# Allegro board HI3516AREFB_VER_B_PCB.brd (continued)
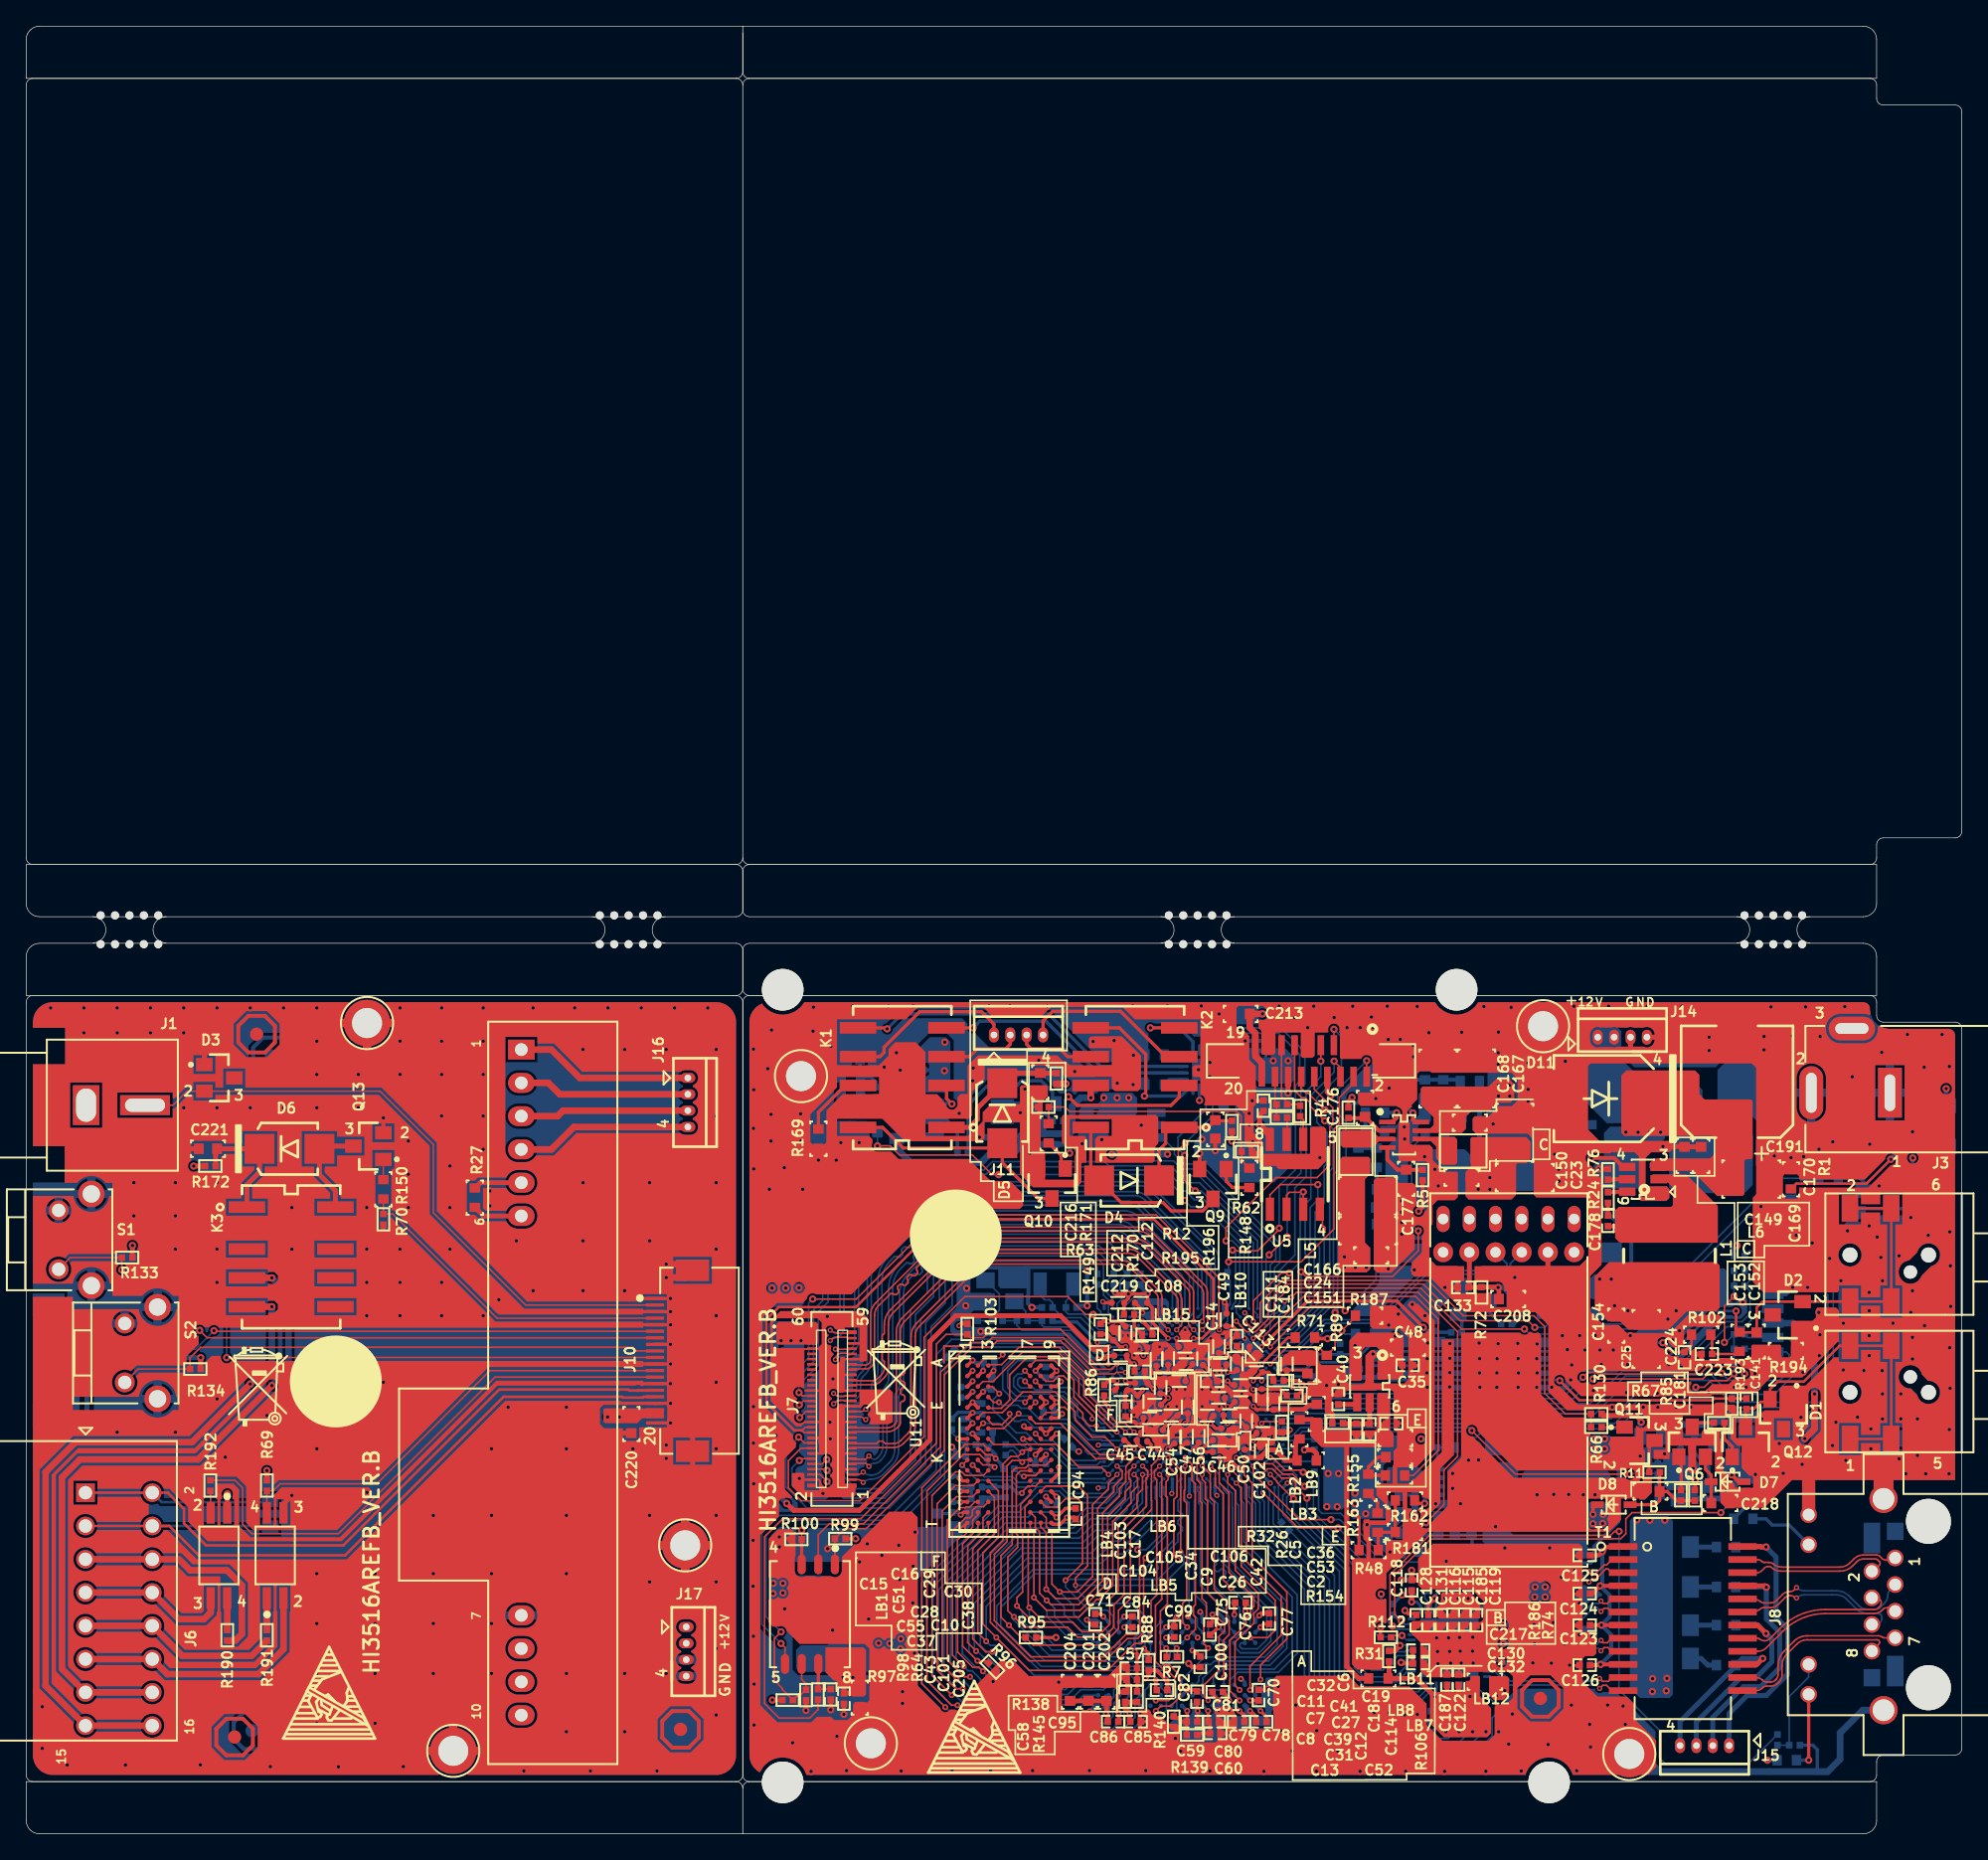
[diagram p0: board, top side]
## Routing (per net, layer and track width the routed paths; a pad name or vN(x,y) marks a point on that pad's centre or on a via; arc(x,y) is an arc through that point) (continued)
SDIO1_CWPR: length 2.1
  TOP w0.127: v3(94.31,31.32) 94.46,31.47 R106.2
  BOTTOM w0.127: v3(94.31,31.32) 94.31,31.32 U8.J19
SDIO1_VOUT: length 48.9
  TOP w0.127: v1(129.62,37.51) 129.62,40.28 v1(130.36,41.02) ; v1(127.44,34.08) 128.07,34.08 128.58,34.59 129.83,34.59 v1(130.35,35.11)
  BOTTOM w0.127: v1(130.36,41.02) R126.2 R125.2 ; U8.K18 93.66,31.97 95.42,31.97 95.62,31.78 95.62,31.5 95.8,31.31 121.24,31.31 122.99,33.07 126.37,33.07 127.39,34.08 v1(127.44,34.08) ; v1(129.62,37.51) 129.74,37.51 R127.2 R128.2 R129.2 v1(130.35,35.11)
SENSOR_CLK: length 45.7
  TOP w0.127: J7.18 59.4,29.83 v1(58.96,30.27)
  BOTTOM w0.13: R30.1 81.74,43.23 81.27,43.7 72.04,43.7 70.68,42.34 70.68,40.31 69.07,38.71 69.07,28.05 65.88,24.86 59.6,24.86 58,26.46 58,29.31 v1(58.96,30.27)
SENSOR_RSTN: length 40.6
  TOP w0.127: v1(81.44,39.64) 80.86,39.64 79.5,41 71.65,41 68.54,37.89 68.54,30.32 63.63,25.42 59.17,25.42 58.31,26.27
  TOP w0.13: 58.31,26.27 58.18,26.41 58.18,28.47 59.14,29.43 J7.16
  BOTTOM w0.13: U8.Y1 v1(81.44,39.64)
SFC_CLK/SFC_BOOT_MODE: length 41.7
  TOP w0.127: U4.6 59.19,11.78 59.52,11.45 R98.2 59.21,10.68 59.01,10.68 R97.1 57.72,11.02 57.72,11.1 57.11,11.71 57.11,14.91 v1(57.61,15.41)
  BOTTOM w0.127: v1(57.61,15.41) 56.47,16.56 56.47,22.78 57.61,23.92 66.27,23.92 69.78,27.44 69.78,35.9 R21.1
SFC_CSN1: length 35.3
  TOP w0.127: U4.1 R99.1 62.49,23.29 64.12,23.29 70.08,29.25 70.08,35.04 72.17,37.13 73.62,37.13 74.11,37.62 78.95,37.62 81.47,35.1 83.08,35.1 83.2,35.22 v3(83.91,35.22)
  BOTTOM w0.127: v3(83.91,35.22) 83.59,35.54 U8.R3
SFC_SDI_IO1: length 36.9
  TOP w0.127: v3(83.26,35.87) 82.85,35.45 81.56,35.45 79.14,37.88 73.73,37.88 73.36,37.51 72.06,37.51 69.78,35.24 69.78,29.53 63.93,23.67 61.3,23.67 60.46,22.83 U4.2
  BOTTOM w0.127: v3(83.26,35.87) 83.26,35.22 83.38,35.11 U8.P3
SFC_SDO_IO0: length 50
  TOP w0.127: U4.5 57.92,14.22 v1(57.61,14.52)
  BOTTOM w0.127: v1(57.61,14.52) 56.14,16 56.14,22.98 57.46,24.3 66.02,24.3 69.47,27.75 69.47,36.58 70.63,37.74 79.5,37.74 82.01,35.23 82.62,35.23 U8.R2
SFC_WP_IO2: length 38.2
  TOP w0.127: R100.2 v1(59.19,23.16)
  TOP w0.254: U4.3 R100.2
  BOTTOM w0.114: U8.P2 82.62,34.58 81.68,34.58
  BOTTOM w0.127: v1(59.19,23.16) 59.65,23.62 66.58,23.62 70.1,27.14 70.1,35.45 71.81,37.16 79.11,37.16 81.68,34.58
SHUTTER_TRIG: length 51.6
  TOP w0.127: J7.30 59.5,32.23 v1(59.04,31.77)
  TOP w0.13: v3(91.06,38.47) 91.04,38.49 91.04,42.44 86.24,47.24 69.78,47.24 63.36,40.81 v1(60.03,40.81)
  BOTTOM w0.13: U8.W15 91.06,38.47 v3(91.06,38.47) ; v1(59.04,31.77) 57.87,32.94 57.87,34.49 59.72,36.34 59.72,40.51 v1(60.03,40.81)
SPI0_CLK/I2C0_SCL: length 43.1
  TOP w0.127: J7.6 60.58,27.43 v1(61.12,26.89)
  BOTTOM w0.13: U8.AB2 82.94,40.84 82.53,41.25 82.53,42.26 R54.1 83.01,43.23 81.72,44.52 71.72,44.52 69.7,42.5 69.7,40.71 68.27,39.28 68.27,28.37 65.52,25.62 62.39,25.62 v1(61.12,26.89)
SPI0_CSN: length 47.1
  TOP w0.127: J7.10 60.76,28.23 v1(61.09,28.57)
  BOTTOM w0.13: v1(61.09,28.57) 63.33,26.34 65.15,26.34 67.48,28.67 67.48,39.99 68.78,41.28 68.78,42.61 71.42,45.25 82.54,45.25 R28.1 84.54,42.24 84.54,41.58 84.67,41.45 84.67,41.07 83.91,40.31 83.91,39.11 U8.Y3
SPI0_MISO: length 47.3
  TOP w0.127: v1(59.01,28.49) 59.15,28.63 J7.12
  BOTTOM w0.13: v1(59.01,28.49) 58.45,27.94 58.45,26.62 59.82,25.25 65.69,25.25 68.66,28.21 68.66,39.02 70.14,40.5 70.14,42.4 71.85,44.12 81.57,44.12 82.23,43.46 82.23,41.12 82.61,40.74 82.61,39.77 U8.AA2
SPI0_MOSI/I2C0_SDA: length 45.4
  TOP w0.127: v1(61.12,27.73) 61.02,27.83 J7.8
  BOTTOM w0.13: U8.Y2 83.27,39.13 83.27,40.46 83.62,40.81 83.62,41.39 83.51,41.5 83.51,42.22 R55.1 81.9,44.88 71.6,44.88 69.25,42.53 69.25,41.02 67.87,39.64 67.87,28.53 65.35,26.01 62.85,26.01 v1(61.12,27.73)
SVB_PWM_CPU: length 34.5
  TOP w0.114: 96.78,41.14 v2(96.58,40.94)
  TOP w0.127: v1(106.84,23.75) 108.21,25.12 108.21,27.76 109.25,28.8 109.25,38.32 106.26,41.32 96.96,41.32 96.78,41.14
  BOTTOM w0.127: v2(96.58,40.94) 96.58,40.69 96.55,40.66 96.55,40.26 96.06,39.76 95.8,39.76 95.49,39.45 U8.AA21 ; R152.1 104.88,23.39 105.24,23.75 v1(106.84,23.75)
SVB_PWM_DDR: length 29.4
  TOP w0.127: R154.2 105.87,27.35 107.78,29.26 107.78,39.29 106.05,41.02 97.51,41.02 v3(94.31,37.82)
  BOTTOM w0.127: v3(94.31,37.82) 94.31,37.82 U8.W19
SVB_PWM_MEDIA: length 23.6
  TOP w0.127: v1(97.32,42.9) 97.67,42.54 104.3,42.54 106.26,44.5 v1(106.26,46.02)
  BOTTOM w0.127: R159.1 105.75,52.35 105.75,46.53 v1(106.26,46.02) ; v1(97.32,42.9) 97.32,40.51 96.25,39.45 U8.AA22
SVB_PWM_VDD: length 15.2
  TOP w0.127: v3(94.96,37.17) 98.07,40.28 100.31,40.28 v1(100.67,39.92)
  BOTTOM w0.127: R156.2 103.03,46.5 103.03,42.29 v1(100.67,39.92) ; v3(94.96,37.17) 94.96,37.17 U8.V20
SYS_RSTN_OUT: length 59.2
  TOP w0.127: v3(82.61,35.87) 82.55,35.81 81.65,35.81 78.93,38.53 73.72,38.53 73.06,37.87 72.09,37.87 R103.1 70.21,38.12 69.48,37.38 69.48,29.82 63.71,24.05 57.74,24.05 56.35,22.66 56.35,9.95 57.47,8.84 59.8,8.84 60.43,9.47 R64.2
  BOTTOM w0.102: U8.T4 83.89,36.54 82.86,36.54 82.82,36.5 82.81,36.5 82.63,36.32 82.63,36.32 82.61,36.3 v3(82.61,35.87)
UART0_RX_CON: length 44.3
  TOP w0.127: J10.7 13.81,37.86 v1(13.24,38.43)
  BOTTOM w0.127: J12.3 6.08,36.77 6.81,37.51 12.33,37.51 v1(13.24,38.43)
UART0_RXD: length 28.3
  TOP w0.127: v1(99.82,61.41) J9.7
  BOTTOM w0.127: v1(99.82,61.41) 100.39,60.83 100.39,58.04 98.51,56.16 98.51,54.3 99.3,53.51 99.3,51.18 99.07,50.95 99.07,48.13 98.38,47.44 98.38,45.13 98.71,44.8 98.71,40.61 96.55,38.45 95.59,38.45 U8.W21
UART0_TX_CON: length 44.6
  TOP w0.127: J10.6 14.38,38.36 v1(14.33,38.4)
  BOTTOM w0.127: v1(14.33,38.4) 12.94,37 7.2,37 5.71,35.52 J12.2
UART0_TXD: length 24.2
  TOP w0.127: J9.6 100.32,58.49 v1(99.83,58.97)
  BOTTOM w0.127: v1(99.83,58.97) 99.83,58.14 98.05,56.36 98.05,48.48 97.62,48.05 97.62,44.24 97.92,43.94 97.92,40.66 96.38,39.11 95.6,39.11 U8.Y21
UART1_RTSN: length 16
  TOP w0.127: v1(96.41,42.81) 95.8,42.81 93.66,40.67 v3(93.66,39.12) ; U5.2 96.2,48.74 96.43,48.97 97.45,48.97 v1(97.47,48.99) U5.3
  BOTTOM w0.114: U8.Y19 v3(93.66,39.12)
  BOTTOM w0.127: v1(97.47,48.99) 97.24,48.76 97.24,43.63 v1(96.41,42.81)
UART1_RXD: length 17.5
  TOP w0.127: v1(98.59,49.55) 95.71,49.55 94.93,48.77 U5.1
  BOTTOM w0.127: U8.Y22 96.46,38.8 98.31,40.64 98.31,44.45 98,44.75 98,47.8 98.59,48.38 v1(98.59,49.55)
UART1_TXD: length 11.4
  TOP w0.127: v1(98.94,46.17) 98.94,47.47 U5.4
  BOTTOM w0.127: U8.W22 96.68,38.15 99.07,40.53 99.07,46.05 v1(98.94,46.17)
USB_DM: length 21.9
  BOTTOM w0.127: U8.U21 95.6,37.16 96.99,37.16 97.02,37.19
  BOTTOM w0.14: 97.02,37.19 99.07,39.24 103.03,39.24 106.78,42.99 112.75,42.99 113.02,43.25 113.02,43.52 J2.4
USB_DP: length 21.6
  BOTTOM w0.127: U8.U22 97.02,36.85
  BOTTOM w0.14: 97.02,36.85 97.06,36.85 99.18,38.97 103.14,38.97 106.89,42.72 112.86,42.72 113.29,43.14 113.29,43.52 J2.3
USB_PWREN: length 17.4
  TOP w0.254: v3(94.31,37.17) 97.8,40.66 104.63,40.66 v1(106.64,38.65)
  BOTTOM w0.203: U8.V19 v3(94.31,37.17)
  BOTTOM w0.254: v1(106.64,38.65) 106.92,38.38 R59.2 107.65,38.38 107.75,38.27 R58.1
USB_REXT: length 9.4
  TOP w0.127: R187.2 101.46,39.44 v1(100.41,38.4)
  BOTTOM w0.127: R189.2 100.67,38.15 v1(100.41,38.4) 99.15,38.4 97.27,36.52 94.96,36.52 U8.U20
VDAC_CVBS: length 31.1
  TOP w0.127: v1(99.91,39.8) 99.91,37.16 R89.2 98.64,37.16 96.25,37.16 v3(94.96,35.87) ; v1(102.32,59.01) J9.2
  BOTTOM w0.102: U8.T20 v3(94.96,35.87)
  BOTTOM w0.127: v1(102.32,59.01) 100.1,56.79 100.1,55 100.74,54.35 100.74,50.71 100.1,50.06 100.1,39.99 v1(99.91,39.8)
VDAC_CVBS_CON: length 49.2
  TOP w0.127: J1.1 11.2,55.61 12.27,56.68 D3.2 27.01,56.68 31.07,52.62 31.07,47.41 38.12,40.36 J10.2
VDAC_IREF: length 3.8
  TOP w0.203: R71.2 96.32,37.88 94.6,36.16 94.6,36.16 v3(94.31,35.87)
  BOTTOM w0.254: U8.T19 v3(94.31,35.87)
VI_POWER_SENSOR: length 72.3
  TOP w0.127: J7.22 59.39,30.63 59.23,30.79 59.47,31.03 J7.24
  TOP w0.203: v3(89.11,37.82) 89.76,37.82 90.61,38.67 90.61,42.36 86.06,46.91 70.04,46.91 63.33,40.2 57.44,40.2 56.5,39.26 56.5,32.91 58.62,30.79 59.23,30.79
  TOP w0.254: C106.1 87.83,37.31 87.83,37.8 v3(87.81,37.82) ; LB15.2 83.79,40.53 C219.1 84.13,40.87 v1(84.13,41.21) 85.13,41.21 85.15,41.23 v2(85.61,41.23) 85.61,40.57 C108.1 85.96,40.14 85.96,39.02 v3(87.16,37.82)
  TOP w0.305: v1(84.13,41.21) 83.21,41.21 v2(83.12,41.3)
  BOTTOM w0.152: v3(87.16,37.82) v3(87.81,37.82) 88.46,37.82 U8.V11
  BOTTOM w0.203: U8.V12 v3(89.11,37.82) 88.79,37.5 U8.V11
  BOTTOM w0.254: v1(84.13,41.21) 84.03,41.31 R55.2 ; v3(87.16,37.82) U8.V8 86.69,37.64 85.68,37.64 U8.V6
  BOTTOM w0.305: v2(83.12,41.3) 83.07,41.3 83.01,41.35 R54.2 ; v2(85.61,41.23) 85.05,41.78 R28.2
WPS: length 25.1
  TOP w0.127: J9.10 98.32,56.83 99.73,55.42 99.73,54.17 99.5,53.95 99.5,51.05 98.53,50.08 95.38,50.08 91.57,46.27 v1(91.57,45.26)
  BOTTOM w0.114: 92.36,39.77 U8.AA17
  BOTTOM w0.127: 92.36,39.77 92.36,40.26 92.64,40.53 92.64,44.68 92.06,45.26 v1(91.57,45.26)
WPS_CON: length 51.1
  TOP w0.127: S1.2 3.37,43.98 R133.1 v1(7.3,43.05) ; J10.10 15.31,36.36 v1(15.3,36.34)
  BOTTOM w0.127: v1(15.3,36.34) 15.3,38.93 11.18,43.05 v1(7.3,43.05)
$5N57: length 1.5
  TOP w0.305: R76.2 121.19,49.93 121.22,49.96 U6.5
$5N65: length 0.7
  TOP w0.305: C178.2 121.45,46.38
$5N74: length 1
  TOP w0.305: R24.2 C178.1
$5N76: length 1.5
  TOP w0.305: R24.1 121.32,48.97 121.36,49.01 U6.6
$5N81: length 4.1
  TOP w0.305: v1(119.46,51.58) 119.47,51.58 121.21,51.58 121.88,50.91 U6.4
  BOTTOM w0.305: v1(119.46,51.58) 119.46,51.6 119.46,51.61 R80.1
$5N83: length 2.8
  BOTTOM w0.305: R137.2 R184.1 R80.2
$5N111: length 4.1
  BOTTOM w0.254: U7.1 63.75,17.38 64.29,17.93 64.29,18.8 63.94,19.15 C144.1 62.77,19.15 R75.2
$5N140: length 3.4
  BOTTOM w0.254: U7.2 64.04,16.88 64.3,17.14 R39.1 65.21,18.72 R151.2
$5N172: length 2.9
  BOTTOM w0.203: C174.1 R2.2 107.71,27.88 U17.4
$5N179: length 3.1
  BOTTOM w0.254: C175.1 104.95,25.85 R3.2 106.67,26.52 U17.2
$5N281: length 3.4
  TOP w0.305: R4.2 102.1,54.63 C176.1 103.24,53.68 U18.2
$5N289: length 3.9
  TOP w0.305: U18.4 103.9,51.45 104.66,50.69 C177.1 105.34,50.68 R5.2
$5N319: length 2.9
  BOTTOM w0.254: R153.1 106.46,22.81 R152.2 106.32,22.87 C1.1
$5N325: length 3.5
  TOP w0.254: C2.1 103.21,28.75 102.45,27.99 R155.2 102.55,27.35 R154.1
$5N329: length 2.7
  BOTTOM w0.305: R157.2 101.58,47.84 C3.1 101.62,46.57 R156.1
$5N333: length 2.8
  BOTTOM w0.305: R159.2 108.22,53.43 C4.1 109.46,54.78 R158.1
$5N360: length 1.6
  BOTTOM w0.254: U17.8 110.2,24.4 R160.2
$5N362: length 3.8
  BOTTOM w0.254: R180.2 R47.2 110.36,22.76 R160.1 R161.2
$5N366: length 1.3
  BOTTOM w0.254: R161.1 R153.2
$5N371: length 2.2
  TOP w0.254: v1(106.74,25.22) 106.21,25.22 R162.1
  BOTTOM w0.254: v1(106.74,25.22) 106.74,25.5 107.11,25.87 U17.1
$5N373: length 5.2
  TOP w0.254: R162.2 R181.2 104.48,23.01 R163.1 103.2,22.96 R48.1
$5N376: length 1.8
  TOP w0.254: R155.1 103.15,25.27 R163.2
$5N379: length 1.4
  BOTTOM w0.305: R165.1 108.24,56.16 R158.2
$5N382: length 4.1
  BOTTOM w0.305: R164.1 R183.2 R165.2 109.35,57.55 R50.2
$5N384: length 2.4
  TOP w0.305: U18.8 106.03,54.33 105.85,54.5 v1(105.85,55.01)
  BOTTOM w0.305: v1(105.85,55.01) 105.37,55.5 R164.2
$5N387: length 1.7
  BOTTOM w0.305: R157.1 103.06,50.85 R167.2
$5N390: length 4.3
  BOTTOM w0.305: R167.1 R49.1 101.68,53.11 R182.2 R166.2
$5N396: length 2.1
  TOP w0.305: v1(104.6,55.04) 104.6,54.66 104.27,54.33 U18.1
  BOTTOM w0.305: R166.1 v1(104.6,55.04)
$5N399: length 4.8
  BOTTOM w0.635: 137.5,56.56 J3.2 ; J3.2 136.25,54.22 ; J3.2 135.01,56.56
$5N426: length 3.7
  TOP w0.381: R32.2 100.55,31.3 R26.1 101.55,31.29 C5.2 U14.5
$5N430: length 1.5
  TOP w0.381: C40.1 101.44,32.78 U14.4
$8N61: length 2.5
  TOP w0.254: v2(85.32,14.13) 85.68,13.77 R88.2
  BOTTOM w0.152: U12.L8 85.38,14.94 85.38,14.2 v2(85.32,14.13)
$8N208: length 2.5
  TOP w0.152: U11.L8 77.05,27.35 76.23,27.35 v2(76.16,27.28)
  BOTTOM w0.152: R87.2 76,27.28 v2(76.16,27.28)
$9N9: length 9
  BOTTOM w0.127: X1.1 75.53,40.65 76.28,39.9 76.28,39.32 R37.1 C200.1 77.53,38.83 77.68,38.68 79.97,38.68 81.62,37.03 82.1,37.03 U8.U1
$9N11: length 9.8
  BOTTOM w0.127: U8.U2 82.87,36.78 82.71,36.78 82.46,36.52 82.12,36.52 81.94,36.7 81.51,36.7 79.79,38.43 76,38.43 75.62,38.81 R37.2 R185.1
$9N21: length 4.8
  BOTTOM w0.127: X1.3 74.28,41.2 74.28,39.95 73.87,39.54 73.87,39.32 R185.2 C199.1
$9N36: length 6.6
  BOTTOM w0.127: U8.W2 82.6,38.48 81.87,38.48 80.68,39.67 79.54,39.67 79.36,39.85 C197.1 79.36,40.66 79.56,40.86 79.56,41.62 X2.1
$9N38: length 7.2
  BOTTOM w0.127: X2.2 77.4,41.1 77.73,40.76 78.11,40.76 78.34,40.53 C198.1 79.13,39.39 80.5,39.39 81.75,38.15 U8.W1
$9N69: length 2.8
  TOP w0.254: v3(83.91,37.17) 83.49,37.17 C103.1 82.52,38.13 LB4.1
  BOTTOM w0.254: U8.U4 v3(83.91,37.17)
$9N193: length 5
  BOTTOM w0.127: U8.E19 94.3,29.36 95.44,29.36 95.61,29.18 95.61,28.9 95.78,28.73 96.3,28.73 96.6,28.43 R22.2
$9N253: length 3.6
  BOTTOM w0.127: R23.2 95.59,23.98 95.59,26.75 U8.B22
$9N273: length 18.8
  TOP w0.127: v1(100.13,23.35) 97.08,23.35 v3(94.4,26.03)
  BOTTOM w0.102: U8.B19 94.3,26.78 94.3,26.14 v3(94.4,26.03)
  BOTTOM w0.127: v1(100.13,23.35) 102.52,20.96 102.52,14.84 R29.2
$9N302: length 2.9
  TOP w0.127: C43.1 R64.1
  TOP w0.254: R64.1 60.46,11.07 U4.7
$9N313: length 12.7
  BOTTOM w0.127: U8.P1 81.83,34.9 79.29,37.44 71.32,37.44 R21.2
$10N55: length 2.7
  BOTTOM w0.13: U8.AA1 82.02,39.71 82.02,39.85 81.74,40.13 R30.2
$10N134: length 5.7
  BOTTOM w0.127: U8.H19 94.3,30.68 94.75,30.68 94.98,30.45 94.98,30.15 95.11,30.02 95.44,30.02 95.6,29.86 95.6,29.59 95.81,29.38 96.58,29.38 97.33,30.14 R105.1
$11N52: length 1.9
  TOP w0.127: R196.1 97.47,54.52 U5.6
$11N242: length 6.5
  BOTTOM w0.203: U8.P22 96.52,35.48 97.7,35.48 98.2,35.99 101.28,35.99 C182.1
$11N297: length 3.5
  BOTTOM w0.127: R25.2 91.89,41.86 91.89,40.49 91.88,40.48 91.88,40.38 91.69,40.2 91.69,39.1 U8.Y15
$11N310: length 1.7
  TOP w0.127: U5.7 96.25,53.05 R195.1
$12N30: length 2.5
  BOTTOM w0.127: U2.19 108.43,10.58 R35.2
$12N55: length 1.8
  BOTTOM w0.127: R188.1 106.76,18.52 106.76,17.95 107.23,17.49 U2.39
$12N249: length 20.5
  TOP w0.305: T1.10 v1(120.17,12.93) 120.11,12.87 C126.1 ; T1.7 v1(120.23,15.93) 120.23,15.92 C123.1 ; C125.1 120.02,21.26 v1(120.3,21.54) 120.66,21.89 121.85,21.89 T1.1 ; T1.4 v1(120.14,18.93) 119.54,18.33 C124.1
  BOTTOM w0.305: v1(120.3,21.54) 120.3,19.09 v1(120.14,18.93) 120.86,18.21 120.86,16.56 v1(120.23,15.93) 120.99,15.18 120.99,13.75 v1(120.17,12.93)
$12N424: length 2.2
  BOTTOM w0.381: C193.1 127.85,13.38 128.35,12.87 R90.2
$12N434: length 2
  BOTTOM w0.381: C194.1 R91.2
$12N437: length 2
  BOTTOM w0.381: C195.1 R92.2
$12N444: length 2
  BOTTOM w0.381: C196.1 R93.2
$13N108:
  vias: v1(57.61,37.64) v1(58.38,37.64) v1(59.14,37.64)
$14N16: length 5.1
  BOTTOM w0.254: R46.1 132.79,24.04 133.27,23.57 134.56,23.57 J8.14
$14N24: length 2.5
  BOTTOM w0.254: C172.1 131.06,25.89 R44.1 131.06,24.77 R46.2
$14N29: length 7.7
  BOTTOM w0.127: J8.15 136.05,11.97 134.57,10.48 C173.1 134.57,6.77 R45.1
$14N96: length 4.3
  BOTTOM w0.381: LB13.2 119.91,39.9 R81.2 C179.1 116.01,39.9 Q1.2
$14N104: length 2.2
  BOTTOM w0.254: Q3.3 111.59,39.9 R9.1
$14N106: length 1.5
  BOTTOM w0.254: R58.2 109.58,39.39 Q3.1
$14N148: length 6
  TOP w0.254: v1(136.06,5.62) 136.06,9.75 136.05,9.75 J8.16
  BOTTOM w0.254: R8.1 136.05,5.62 v1(136.06,5.62)
$14N159: length 7.6
  BOTTOM w0.381: R9.2 113.47,38.91 114.76,40.2 114.76,40.94 115.65,41.83 Q1.1 116.8,41.83 117.43,41.19 C179.2 R81.1
$15N47: length 4.7
  BOTTOM w0.508: LB14.2 125.8,31.24 R82.2 127.33,31.24 C180.1 128.55,31.23 Q2.2
$15N48: length 4.2
  BOTTOM w0.254: Q2.1 128.27,30.42 C180.2 127.33,30.43 R82.1 126.28,29.33 R10.2
$15N50: length 1.6
  BOTTOM w0.127: R60.2 126.03,25.62 Q4.1
$15N51: length 3.4
  BOTTOM w0.254: Q4.3 128.43,27.98 R10.1
$16N20: length 9.3
  BOTTOM w0.254: R136.1 71.08,53.67 70.26,54.49 U15.6 68.07,54.49 67.75,54.81 67.75,55.31 R38.1 C135.1 R173.2
$16N22: length 3.1
  BOTTOM w0.254: R173.1 64.85,57.38 64.49,57.74 R53.2 63.64,57.77 C156.1
$16N24: length 2.7
  BOTTOM w0.254: R53.1 R52.2 62.2,55.03 C158.1
$16N26: length 2.8
  BOTTOM w0.254: R52.1 63.58,56.24 C157.1 63.61,54.97 R168.2
$16N78: length 2.1
  BOTTOM w0.254: R84.2 74.58,54.41 U15.3
$16N80: length 4.5
  BOTTOM w0.254: U15.2 76.72,55.76 R40.1 76.75,55.53 77.27,55.01 77.73,55.01 R83.2
$16N92: length 12.2
  BOTTOM w0.254: R136.2 71.89,55.62 73.3,57.03 U15.1 74.62,57.15 75.65,57.15 75.98,57.48 77.48,57.48 78.34,56.61 78.34,55.99 R40.2
$16N98: length 3.4
  BOTTOM w0.254: U15.5 69,53.39 68.23,53.39 66.69,54.93 R94.2
$17N10: length 2.9
  BOTTOM w0.254: C159.2 91.9,55.86 91.9,57.3 91.63,57.58 U13.12
$17N32: length 1.6
  BOTTOM w0.254: C139.1 92.54,59.74 91.88,59.08 U13.9
$17N46: length 1.6
  BOTTOM w0.254: U13.1 87.26,57.58 R77.1
$17N50: length 1.6
  BOTTOM w0.254: R78.1 87.26,59.08 U13.4
$17N80: length 10.6
  TOP w0.381: R171.2 77.41,58.06 C216.1 75.28,58.06 D5.2 72.6,55.38 72.6,54.53 71.99,53.92 K1.1
$17N83: length 18.2
  TOP w0.254: Q10.3 77.24,48.49 74.51,51.23 D5.1 74.14,52.35 66.94,52.35 65.37,53.92 K1.8
$17N87: length 2.5
  TOP w0.254: Q10.1 79,51.09 79,51.77 R149.2
$17N129: length 9.4
  TOP w0.254: D4.2 86.47,52.19 86.98,52.7 86.98,53.69 87.2,53.92 K2.1 90.21,53.92 C212.1 90.8,54.43 R170.2
$17N132: length 2.9
  TOP w0.254: Q9.1 91.6,49.81 92.07,49.33 R148.2
$17N133: length 14.4
  TOP w0.254: Q9.3 90.58,48.33 89.8,47.54 87.41,47.54 86.77,48.18 83.58,48.18 D4.1 81.26,50.5 K2.8
$18N47: length 2.5
  BOTTOM w0.254: R175.2 146.26,50.72 146.59,50.39 LED1.1 LED1.3
$18N52: length 4.7
  BOTTOM w0.254: Q7.3 144.16,48.44 LED1.4
$18N54: length 2.8
  BOTTOM w0.254: R177.2 139.94,50.06 140.25,49.75 Q7.1
$18N62: length 2
  BOTTOM w0.254: Q7.2 139.34,51.09 139.1,51.33 R176.2
$18N72: length 1.8
  BOTTOM w0.254: Q8.1 136.61,46.4 R179.2
$18N75: length 1.6
  BOTTOM w0.254: Q8.2 136.05,48.43 R178.2
$18N77: length 6.9
  BOTTOM w0.254: Q8.3 140.08,47.71 LED1.2
$18N416: length 1.8
  TOP w0.127: Q11.1 R66.1
$18N425: length 2.6
  TOP w0.254: Q11.3 123.88,29.61 R11.1
$18N427: length 7.5
  TOP w0.254: C217.1 125.26,26.13 125.96,25.43 R186.1 R74.1 ; C217.1 124.68,25.45 124.35,25.12 D8.2 ; C217.1 124.68,27.59 R11.2
$18N435: length 3.7
  TOP w0.254: C218.1 128.62,26.87 D7.1 128.61,27.38 128.18,27.81 Q6.2
$18N438: length 2.6
  TOP w0.254: R186.2 126.32,26.26 126.32,28.6 Q6.1
$18N440: length 1.8
  TOP w0.254: R67.2 127.48,31.38 Q6.3
$18N442: length 2.9
  TOP w0.254: R67.1 129.62,30.14 130.22,29.54 Q12.1
$18N491: length 3.7
  TOP w0.203: R193.2 130.58,36.62 C223.1 128.68,37.99 R102.1
$18N517: length 13.2
  TOP w0.203: v1(142.32,51.48) 140.47,49.63 135.11,49.63 R1.1
  BOTTOM w0.381: v1(142.32,51.48) 143.3,52.46 LED2.2
$19N51: length 1.7
  TOP w0.127: R192.2 14.08,26.15 U10.2
$19N55: length 2.4
  TOP w0.508: R191.1 U9.1
$19N64: length 9.5
  TOP w0.381: R172.2 14.46,52.18 C221.1 D6.2 17.81,50.51 16.84,49.54 K3.1
$19N66: length 1.5
  TOP w0.127: R150.2 Q13.1
$19N67: length 7.6
  TOP w0.381: Q13.3 22.59,52.49 D6.1 22.38,50.31 23.6,49.09 K3.8
$19N114: length 2.4
  TOP w0.508: R190.1 U10.4
$19N229: length 3.8
  TOP w0.381: R27.1 34.91,47.16 U1.6
$19N230: length 3.7
  TOP w0.381: U1.5 34.65,49.7 R27.2

## Copper pours and planes (outline as drawn; the poured copper is in the pictures)
1V1_CPU_CORE on TOP (solid shape): 114.82,52.85 114.82,51.5 114.49,51.18 113.83,51.18 113.72,51.07 113.72,48.75 113.38,48.41 110.1,48.41 109.86,48.64 109.86,50.52 110.24,50.9 110.24,53.08 110.35,53.18 114.49,53.18
1V1_CPU_CORE on POWER02 (solid shape): outline of 836 points within 85.68,34.87 112.45,52.43
1V1_DDR_CORE on BOTTOM (solid shape): 105.93,29.92 105.93,28.85 105.57,28.49 103.97,28.49 103.59,28.11 103.59,27.97 103.59,26.46 103.59,26.46 103.59,25.88 104.15,25.32 104.15,24.48 104.14,24.46 104.13,24.44 104.1,24.41 104.09,24.41 103.75,24.06 103.73,24.05 103.71,24.05 101.28,24.05 101.13,24.2 101.13,30.1 101.43,30.4 105.44,30.4
1V1_DDR_CORE on POWER02 (solid shape): 87.42,31.54 87.5,31.5 87.52,31.41 87.51,31.33 87.51,31.25 87.72,31.03 88.02,31.09 88.06,31.14 88.08,31.16 88.1,31.17 88.22,31.29 88.22,31.38 88.34,31.5 88.56,31.5 88.58,31.49 89.14,31.49 89.67,30.96 96.07,30.96 96.12,30.91 96.16,30.89 96.17,30.85 96.46,30.53 96.78,30.82 96.81,30.88 96.88,30.91 100.82,30.91 103.18,28.55 103.18,24.46 102.7,23.97 102.55,23.97 102.54,23.98 102.34,24.02 102.14,23.97 101.13,23.97 100.92,24.18 100.92,27.53 100.23,28.22 100.23,28.22 99.64,28.82 98.64,29.82 97.16,29.82 96.83,29.49 94.57,29.49 94.15,29.9 94.15,30.14 93.94,30.35 93.48,30.35 93.17,30.04 92.59,30.04 92.41,30.1 92.24,30.04 86.8,30.04 86.52,30.32 86.52,31.37 86.7,31.54
1V1_MEDIA_CORE on BOTTOM (solid shape): 121.11,30.15 121.11,28.37 120.73,27.99 114.64,27.99 113.75,28.88 111.46,28.88 111.34,29 111.34,30.27 111.46,30.4 120.86,30.4
1V1_MEDIA_CORE on POWER02 (solid shape): outline of 323 points within 90.13,29 121.45,35.48
1V1_VDD_CORE on TOP (solid shape): 102.6,51.53 102.6,50.36 102.19,49.96 102.19,45.13 102.6,44.73 102.6,43.13 102.32,42.85 100.44,42.85 100.13,43.15 100.13,51.35 100.46,51.69 102.45,51.69
1V1_VDD_CORE on POWER02 (solid shape): outline of 671 points within 85.84,31.16 102.58,44.39
1V5 on BOTTOM (solid shape): 64.02,16.05 64.3,15.95 64.57,16.05 67.06,16.05 67.29,15.82 67.29,12.98 66.68,12.37 63.13,12.37 63.08,12.37 62.41,12.37 62.35,12.37 62.3,12.37 59.01,12.37 58.76,12.62 58.76,14.03 59.13,14.4 61.15,14.4 62.23,15.47 62.78,15.47 63.35,16.05
1V5 on POWER02 (solid shape): outline of 7082 points within 64.75,7.16 97.09,37.23
1V05_REGOUT on BOTTOM (solid shape): 115.93,19.94 115.93,19.12 116.06,19.12 116.34,18.84 116.34,17.93 116.21,17.8 113.57,17.8 113.42,17.95 113.42,19.6 115.4,19.6 115.4,19.99 115.15,19.99 115.15,19.6 113.42,19.6 113.42,19.96 113.57,20.11 115.76,20.11
1V05_REGOUT on POWER02 (solid shape): outline of 83 points within 104.53,12.57 116.42,19.58
1V8 on TOP (solid shape): 104.12,33.43 104.12,30.81 104.38,30.55 104.38,29.59 104.29,29.51 98.86,29.51 98.36,30.02 102.95,30.02 102.95,30.4 102.7,30.4 102.7,30.02 102.45,30.02 102.45,30.4 102.19,30.4 102.19,30.02 101.94,30.02 101.94,30.4 101.68,30.4 101.68,30.02 101.43,30.02 101.43,30.4 101.18,30.4 101.18,30.02 98.36,30.02 98,30.37 98,31.67 98.1,31.77 98.8,31.77 98.97,31.6 98.97,30.94 99.11,30.81 102.98,30.81 103.11,30.93 103.11,31.42 103.72,31.42 103.72,31.8 103.33,31.8 103.33,31.42 103.11,31.42 103.11,33.54 103.2,33.64 103.91,33.64
3V3 on TOP (solid shape): 113.19,11.88 113.19,10.67 112.72,10.2 112.03,10.2 111.65,10.58 111.65,11.98 111.71,12.04 113.03,12.04
3V3 on TOP (solid shape): 129.27,43.38 129.27,40.15 128.99,39.87 126.75,39.87 125.36,38.48 122.28,38.48 121.66,39.1 120.75,39.1 119.72,40.13 119.72,42.54 120.81,43.63 129.01,43.63
3V3 on TOP (solid shape): 64.1,14.03 64.1,10.62 63.95,10.47 63.07,10.47 62.95,10.59 62.95,11.1 62.82,11.22 62.06,11.22 61.94,11.35 61.94,11.55 61.79,11.7 61.63,11.7 61.01,12.32 61.01,14.18 61.06,14.23 63.9,14.23
3V3 on TOP (solid shape): 113.6,57.22 113.6,56.1 113.29,55.8 112.3,55.8 111.72,55.22 110.37,55.22 109.89,54.73 109.89,53.79 109.58,53.49 105.95,53.49 105.87,53.56 105.87,53.82 105.9,53.84 107.17,53.84 107.42,54.1 107.42,54.68 106.43,55.67 106.43,56.89 106.59,57.04 111.62,57.04 112.24,57.67 113.15,57.67
3V3 on TOP (solid shape): 105.14,37.88 105.14,35.06 104.76,34.68 103.22,34.68 103.13,34.77 103.13,35.33 104.94,35.33 104.94,35.71 104.55,35.71 104.55,35.33 103.13,35.33 103.13,36.09 103.36,36.31 103.36,36.86 103.06,37.16 102.23,37.16 101.96,36.89 101.96,34.67 101.86,34.56 101.12,34.56 100.99,34.7 100.99,37.66 101.59,38.26 104.76,38.26
3V3 on TOP (solid shape): 110.98,17.65 110.98,16.51 110.89,16.42 107.84,16.42 107.65,16.61 107.65,16.81 110.57,16.81 110.57,17.19 110.32,17.19 110.32,16.81 109.68,16.81 109.68,17.19 109.43,17.19 109.43,16.81 108.8,16.81 108.8,17.19 108.54,17.19 108.54,16.81 108.41,16.81 108.41,17.19 108.16,17.19 108.16,16.81 107.65,16.81 107.65,17.27 107.98,17.6 107.98,18.31 108.08,18.41 110.22,18.41
3V3 on BOTTOM (solid shape): 59.39,41.84 59.39,40.51 59.11,40.23 56.75,40.23 56.6,40.38 56.6,41.89 56.73,42.02 59.21,42.02
3V3 on BOTTOM (solid shape): 121.37,42.46 121.37,40.94 121.24,40.81 119.46,40.81 119.34,40.94 119.34,42.34 119.71,42.71 121.12,42.71
3V3 on BOTTOM (solid shape): 70.54,60.45 70.54,56.79 70.31,56.56 68.33,56.56 68.28,56.61 68.28,57.7 68.41,57.83 68.79,57.83 68.92,57.96 68.92,58.72 68.79,58.85 68.41,58.85 68.28,58.97 68.28,60.12 68.97,60.8 70.19,60.8
3V3 on BOTTOM (solid shape): 60.79,19.6 60.79,18.33 61.04,18.08 61.55,18.08 61.81,17.83 61.81,17.22 61.93,17.09 62.64,17.09 62.69,17.04 62.69,16.84 62.59,16.73 59.88,16.73 59.72,16.89 59.72,17.73 59.58,17.87 56.91,17.87 56.73,18.04 56.73,19.57 56.89,19.73 60.66,19.73
3V3 on BOTTOM (solid shape): 114.46,25.29 120.66,25.29 120.81,25.14 120.81,23.62 120.51,23.31 113.62,23.31 113.19,23.75 113.19,25.09 112.99,25.29 111.64,25.29 111.5,25.43 111.5,25.83 111.25,26.08 111.25,26.09 111.06,26.29 109.67,26.29 109.57,26.39 109.57,26.68 109.61,26.72 113.04,26.72
3V3 on BOTTOM (solid shape): 84.79,56.18 84.79,55.01 84.49,54.71 82.91,54.71 82.71,54.5 80.53,54.5 80.37,54.66 80.37,54.91 81.87,54.91 81.87,55.29 81.49,55.29 81.49,54.91 80.37,54.91 80.37,55.29 80.83,55.75 81.82,55.75 82,55.93 82,56.43 82.13,56.56 84.41,56.56
3V3 on BOTTOM (solid shape): 96.81,59.25 96.81,57.55 96.53,57.27 94.14,57.27 93.48,57.93 92.39,57.93 91.85,58.47 90.99,58.47 90.94,58.52 90.94,58.64 90.99,58.7 92.26,58.7 92.78,59.22 93.01,59.22 93.05,59.25 95,59.25 95,59.58 94.72,59.58 94.72,59.25 94.5,59.25 94.5,59.58 94.17,59.58 94.17,59.25 93.05,59.25 93.12,59.33 93.86,59.33 93.86,59.64 93.53,59.64 93.53,59.33 93.12,59.33 93.2,59.41 93.2,59.79 93.37,59.95 96.11,59.95
3V3 on POWER02 (solid shape): outline of 22783 points within 55.71,5 146.73,62.97
3V3_CON on TOP (solid shape): 46.68,32.47 48.65,32.47 48.67,32.45 48.67,31.76 48.66,31.73 48.62,31.71 47.02,31.71 46.65,31.34 44.18,31.34 44.05,31.47 44.05,32.37 44.16,32.48 46.68,32.48
3V3_CON on POWER02 (solid shape): outline of 11007 points within 0.51,4.49 54.19,63.48
12V0 on TOP (solid shape): 127.72,57.93 127.72,56.45 128.11,56.05 131.66,56.05 131.78,55.93 131.78,51.61 131.66,51.48 131.27,51.48 131.15,51.35 131.15,48.81 131.02,48.69 130.77,48.69 130.76,48.68 129.06,48.68 127.15,50.59 124.16,50.59 123.91,50.85 123.91,51.18 124.29,51.56 128.52,51.56 128.93,51.97 128.93,52.92 128.58,53.27 121.98,53.27 121.75,53.5 121.75,57.88 122.14,58.27 127.38,58.27
12V0 on BOTTOM (solid shape): 125.09,53.79 125.09,53.09 124.9,52.89 124.77,52.86 124.66,52.8 123.83,52.8 123.47,52.44 123.47,49.45 123.26,49.24 120.05,49.24 119.64,49.65 119.64,51 120.43,51.79 120.43,53.51 120.9,53.98 124.9,53.98
DVDD3318 on TOP (solid shape): 110.95,12.01 110.95,10.46 111.82,9.6 111.82,7.67 111.51,7.36 108.21,7.36 107.14,8.43 107.14,10.74 107.22,10.82 109.68,10.82 109.86,10.99 109.86,11.6 109.94,11.68 110.13,11.68 110.24,11.79 110.24,12.01 110.28,12.06 110.91,12.06
GND on TOP (solid shape): outline of 561 points within 56.8,25.68 66.15,39.9
GND on TOP (solid shape): outline of 6122 points within 55.2,4.49 147.23,63.48
GND on BOTTOM (solid shape): 120.94,27.45 120.94,26.11 120.4,25.57 114.76,25.57 114.16,26.18 114.16,27.45 114.38,27.68 120.71,27.68
GND on BOTTOM (solid shape): 100.72,30.27 100.72,25.03 100.43,24.74 100.42,24.75 99.08,24.75 99,24.82 99,30.17 99.2,30.37 100.62,30.37
GND on BOTTOM (solid shape): 125.69,23.88 125.69,10.62 125.44,10.37 123.16,10.37 122.41,11.12 122.41,23.93 122.75,24.27 125.31,24.27
GND on BOTTOM (solid shape): 82.61,54.07 82.61,52.8 82.15,52.35 80.47,52.35 80.3,52.52 80.3,53.64 81.87,53.64 81.87,54.02 81.49,54.02 81.49,53.64 80.3,53.64 80.3,53.97 80.55,54.23 82.46,54.23
GND on BOTTOM (solid shape): 112.8,24.56 112.8,23.52 113.52,22.81 118.96,22.81 119.21,22.55 119.21,21.21 119.01,21 112.81,21 112.4,21.42 112.4,22.12 111.34,22.12 111.16,22.3 111.16,24.57 111.26,24.67 112.69,24.67
GND on BOTTOM (solid shape): 90.63,59.05 90.63,58.34 90.76,58.21 91.68,58.21 91.73,58.16 91.73,57.98 91.7,57.96 90.76,57.96 90.63,57.83 90.63,57.58 90.56,57.5 89.03,57.5 88.98,57.55 88.98,59.08 89.06,59.15 90.53,59.15
GND on BOTTOM (solid shape): 119.82,15.81 119.86,15.71 119.92,15.63 119.92,14.99 119.87,14.9 119.85,14.8 119.84,14.79 119.77,14.72 118.97,14.72 118.47,14.22 115.83,14.22 115.78,14.27 115.78,14.65 115.89,14.77 117.54,14.77 118.65,15.87 119.76,15.87
GND on BOTTOM (solid shape): 111.08,29.77 111.08,28.9 111.21,28.77 111.21,27.97 110.85,27.61 109.3,27.61 109.3,26.77 109.25,26.72 109.25,26.23 109.36,26.12 109.36,25.49 109.69,25.49 109.82,25.37 109.82,24.94 109.71,24.84 107.58,24.84 107.45,24.96 107.45,25.39 107.55,25.49 108.49,25.49 108.49,27.83 109.86,29.2 109.86,29.84 109.99,29.97 110.88,29.97
GND on BOTTOM (solid shape): 105.53,24.81 105.53,24.13 105.41,24.01 105.13,24.01 104.63,23.52 104.32,23.52 104.32,22.3 104.5,22.3 104.81,21.98 105.23,21.98 105.3,21.91 105.3,21.11 105.2,21.02 104.15,21.02 101.98,23.19 101.98,23.6 102.17,23.8 103.71,23.8 103.83,23.82 103.93,23.89 104.19,24.15 104.2,24.15 104.31,24.26 104.38,24.36 104.4,24.48 104.4,24.81 104.52,24.93 105.4,24.93
GND on BOTTOM (solid shape): 118.88,18.97 118.91,19 118.94,19 118.97,19 118.99,19 119.05,18.95 119.09,18.92 119.13,18.89 119.18,18.88 119.23,18.86 119.29,18.86 119.34,18.86 119.39,18.88 119.42,18.89 119.62,18.89 119.74,18.77 119.75,18.75 119.78,18.69 119.81,18.64 119.86,18.6 119.91,18.57 119.96,18.54 120.02,18.51 120.06,18.5 120.27,18.29 120.28,18.28 120.3,18.26 120.3,18.23 120.3,18.2 120.29,18.17 120.27,18.15 120.24,18.13 120.21,18.12 120.17,18.12 120.12,18.11 120.06,18.09 120.01,18.07 119.97,18.04 119.93,18 119.9,17.95 119.87,17.9 119.84,17.85 119.81,17.84 119.43,17.84 117.19,15.61 114.02,15.61 113.99,15.61 113.98,15.63 113.97,15.66 113.97,16.05 114.76,16.05 114.76,16.43 114.46,16.43 114.46,16.05 113.97,16.05 113.97,16.32 114.2,16.54 116.45,16.54
GND on BOTTOM (solid shape): outline of 83 points within 70.54,37.96 76.64,43.35
GND on BOTTOM (solid shape): outline of 114 points within 89.16,49.73 96.6,57.53
GND on BOTTOM (solid shape): 107.2,56.46 107.2,54.35 107.02,54.17 106.41,54.17 106.23,54 106.23,53.21 105.48,52.46 105.48,49.2 105.48,49.2 105.48,46.42 105.83,46.07 105.82,46.05 106.56,45.72 106.23,46.45 106.2,46.45 106.01,46.64 106.01,47.05 106.09,47.13 106.12,47.12 106.71,47.5 106.16,47.93 106.13,47.93 106.01,48.04 106.01,49.2 106.02,49.2 106.02,51.7 106.56,52.25 109.81,52.25 109.81,52.24 110.24,51.81 110.24,49.35 109.79,48.89 107.42,48.89 107.02,48.48 107.02,45.72 106.64,45.34 104.27,45.34 104.27,45.31 104.26,45.31 104.26,43.36 106.51,43.36 106.51,43.1 102.92,39.51 101.31,39.51 101.3,39.52 101.3,40.05 103.21,41.96 103.21,42.09 103.3,42.18 103.3,45.64 103.74,46.08 103.74,52.32 104.63,53.21 104.63,54.1 105.04,54.5 105.87,54.5 105.97,54.6 105.98,54.6 106.16,54.71 106.26,54.88 106.27,54.9 106.29,54.92 106.29,56.47 106.38,56.56 107.09,56.56
GND on BOTTOM (solid shape): outline of 464 points within 98.81,33.84 131.36,43.15
GND on BOTTOM (solid shape): outline of 596 points within 121.93,25.37 147.23,48.8
GND on BOTTOM (solid shape): outline of 850 points within 55.2,46.63 147.23,63.48
GND on BOTTOM (solid shape): outline of 1370 points within 55.2,4.49 133.18,39.87
GND on BOTTOM (solid shape): outline of 1992 points within 81.49,28.88 94.56,40.91
GND on POWER02 (solid shape): outline of 1131 points within 58.12,25.37 93.25,47.65
GND on GND03 (solid shape): outline of 19993 points within 55.2,4.49 147.23,63.48
PGND on TOP (solid shape): outline of 3329 points within 0.51,4.49 54.19,63.48
PGND on BOTTOM (solid shape): outline of 3762 points within 0.51,4.49 54.19,63.48
PGND on GND03 (solid shape): outline of 4015 points within 0.51,4.49 54.19,63.48
Net_117 on BOTTOM (solid shape): 107.04,43.61 104.51,43.61 104.51,45.06 107.04,45.06
Net_117 on BOTTOM (solid shape): 121.79,43.61 119.26,43.61 119.26,45.14 121.79,45.14
Net_145 on BOTTOM (solid shape): 143.29,22.43 142.02,22.43 142.02,23.75 143.29,23.75
Net_146 on BOTTOM (solid shape): 141.51,21.41 140.24,21.41 140.24,23.75 141.51,23.75
Net_147 on BOTTOM (solid shape): 143.29,11.25 142.02,11.25 142.02,13.59 143.29,13.59
Net_148 on BOTTOM (solid shape): 141.51,11.25 140.24,11.25 140.24,12.57 141.51,12.57
POE_12V on BOTTOM (solid shape): 121.76,61.25 121.76,59.13 123.27,57.62 123.27,54.54 122.97,54.24 120.65,54.24 118.98,55.92 118.98,61.39 119.49,61.9 121.11,61.9
POE_12V_CON on POWER02 (solid shape): 51.74,16.63 51.74,14.76 50.98,14 46.9,14 46.11,13.2 36.88,13.2 36.62,13.46 36.62,14.8 36.95,15.13 40.07,15.13 40.08,15.14 40.4,15.14 42.38,17.12 51.25,17.12
$5N65 on TOP (solid shape): 129.12,47.93 129.12,45.23 129.01,45.13 121.61,45.13 121.28,45.46 121.28,47.58 121.55,47.85 125.56,47.85 125.69,47.98 125.69,49.32 125.31,49.7 124.04,49.7 124.04,50.21 124.16,50.34 126.7,50.34
$5N133 on BOTTOM (solid shape): 62.69,16.43 62.69,16.3 62.62,16.23 62.6,16.22 62.58,16.21 61.76,16.21 61.72,16.18 61.68,16.18 61.47,15.97 61.45,15.96 61.13,15.64 61.28,15.21 61.32,15.13 61.29,15.06 61.01,14.78 58.88,14.78 58.76,14.91 58.76,16.15 59.09,16.48 60.22,16.48 60.28,16.53 62.59,16.53
$5N189 on BOTTOM (solid shape): 113.88,28.24 113.88,27.1 113.75,26.97 109.56,26.97 109.56,27.35 110.95,27.35 111.97,28.37 113.75,28.37
$5N227 on BOTTOM (solid shape): 106.89,27.35 108.02,27.35 108.13,27.25 108.13,27.04 108.05,26.97 106.38,26.97 106.13,26.72 103.84,26.72 103.84,27.86 103.97,27.99 106.26,27.99
$5N272 on TOP (solid shape): 103.21,53.21 104.38,53.21 104.45,53.13 104.45,52.88 104.43,52.85 103.26,52.85 102.78,52.37 100.52,52.37 100.31,52.57 100.31,53.59 100.44,53.72 102.7,53.72
$5N295 on TOP (solid shape): 109.23,53.01 109.23,51.2 109.1,51.08 108.08,51.08 107.61,51.55 107.61,52.46 107.22,52.85 105.9,52.85 105.85,52.9 105.85,53.18 105.87,53.21 109.02,53.21
$5N399 on BOTTOM (solid shape): outline of 93 points within 129.09,53.93 138.02,58.97
$5N405 on BOTTOM (solid shape): 127.95,56.78 127.95,55.01 129.04,53.92 131.33,53.92 131.78,53.46 131.78,49.52 131.17,48.9 125.86,48.9 125.4,49.36 125.4,56.76 125.67,57.03 127.69,57.03
$12N66 on BOTTOM (solid shape): 112.56,20.39 112.58,20.39 112.71,20.27 112.71,17.57 111.84,16.71 110.83,16.71 110.74,16.8 110.74,17.35 110.8,17.42 111.16,17.42 111.39,17.65 111.39,18.11 111.36,18.13 111.36,20.32 111.49,20.44 112.51,20.44
$13N108 on TOP (solid shape): 60.46,38.92 60.46,37.48 60.31,37.34 59.4,37.34 59.4,37.33 57.38,37.33 57.25,37.46 57.25,38.9 57.44,39.09 60.29,39.09
$13N108 on BOTTOM (solid shape): 59.39,38.86 59.39,36.83 59.22,36.65 56.89,36.65 56.63,36.91 56.63,36.95 57.82,36.95 57.82,37.38 57.44,37.38 57.44,36.95 56.63,36.95 56.63,38.92 56.83,39.11 59.14,39.11

## Text on the board
BOTTOM: HI3516AREFB_VER.B ARTWORK BOTTOM
Package Geometry/Pastemask Bottom: HI3516AREFB_VER.B PASTEMASK BOTTOM
Ref Des/Silkscreen Bottom: J | 3 | HI3516AREFB_VER.B SILKSCREEN BOTTOM
User.Comments: HI3516AREFB_VER.B SOLDMASK TOP | HI3516AREFB_VER.B SOLDMASK BOTTOM
TOP: HI3516AREFB_VER.B ARTWORK TOP
Package Geometry/Pastemask Top: HI3516AREFB_VER.B PASTEMASK TOP
Ref Des/Silkscreen Top: 12 | V | G | N | D | F | A | E | B | C | HI3516AREFB_VER.B | HI3516AREFB_VER.B SILKSCREEN TOP
POWER02: HI3516AREFB_VER.B ARTWORK LAYER02
GND03: HI3516AREFB_VER.B ARTWORK LAYER03
DIMENSION: 130 | C | 150 | 4 | HI3516AREFB_VER.B DRILL CHART
User.10: FIGURE | SIZE | 8.0 | 10.0 | 20.0 | 31.5 | 36.0 | 38.0 | 40.0 | 52.0 | 65.0 | 90.0 | 24.0 | 45.0 | 125.0 | 135.0 | 100.0x32.0 | 100.0x60.0 | 110.0x32.0 | 120.0x32.0 | 120.0x40.0 | DRILL CHART: TOP to BOTTOM | ALL UNITS ARE IN MILS | TOLERANCE | +3.0/-3.0 | +0.0/-0.0 | +2.0/-2.0 | +4.0/-4.0 | PLATED | NON-PLATED | QTY | 315 | 5 | 800 | 20 | 12 | 10 | 16 | 4 | 2 | 7 | 40 | 1
